# Altium PCB inj_meas.PcbDoc (continued)
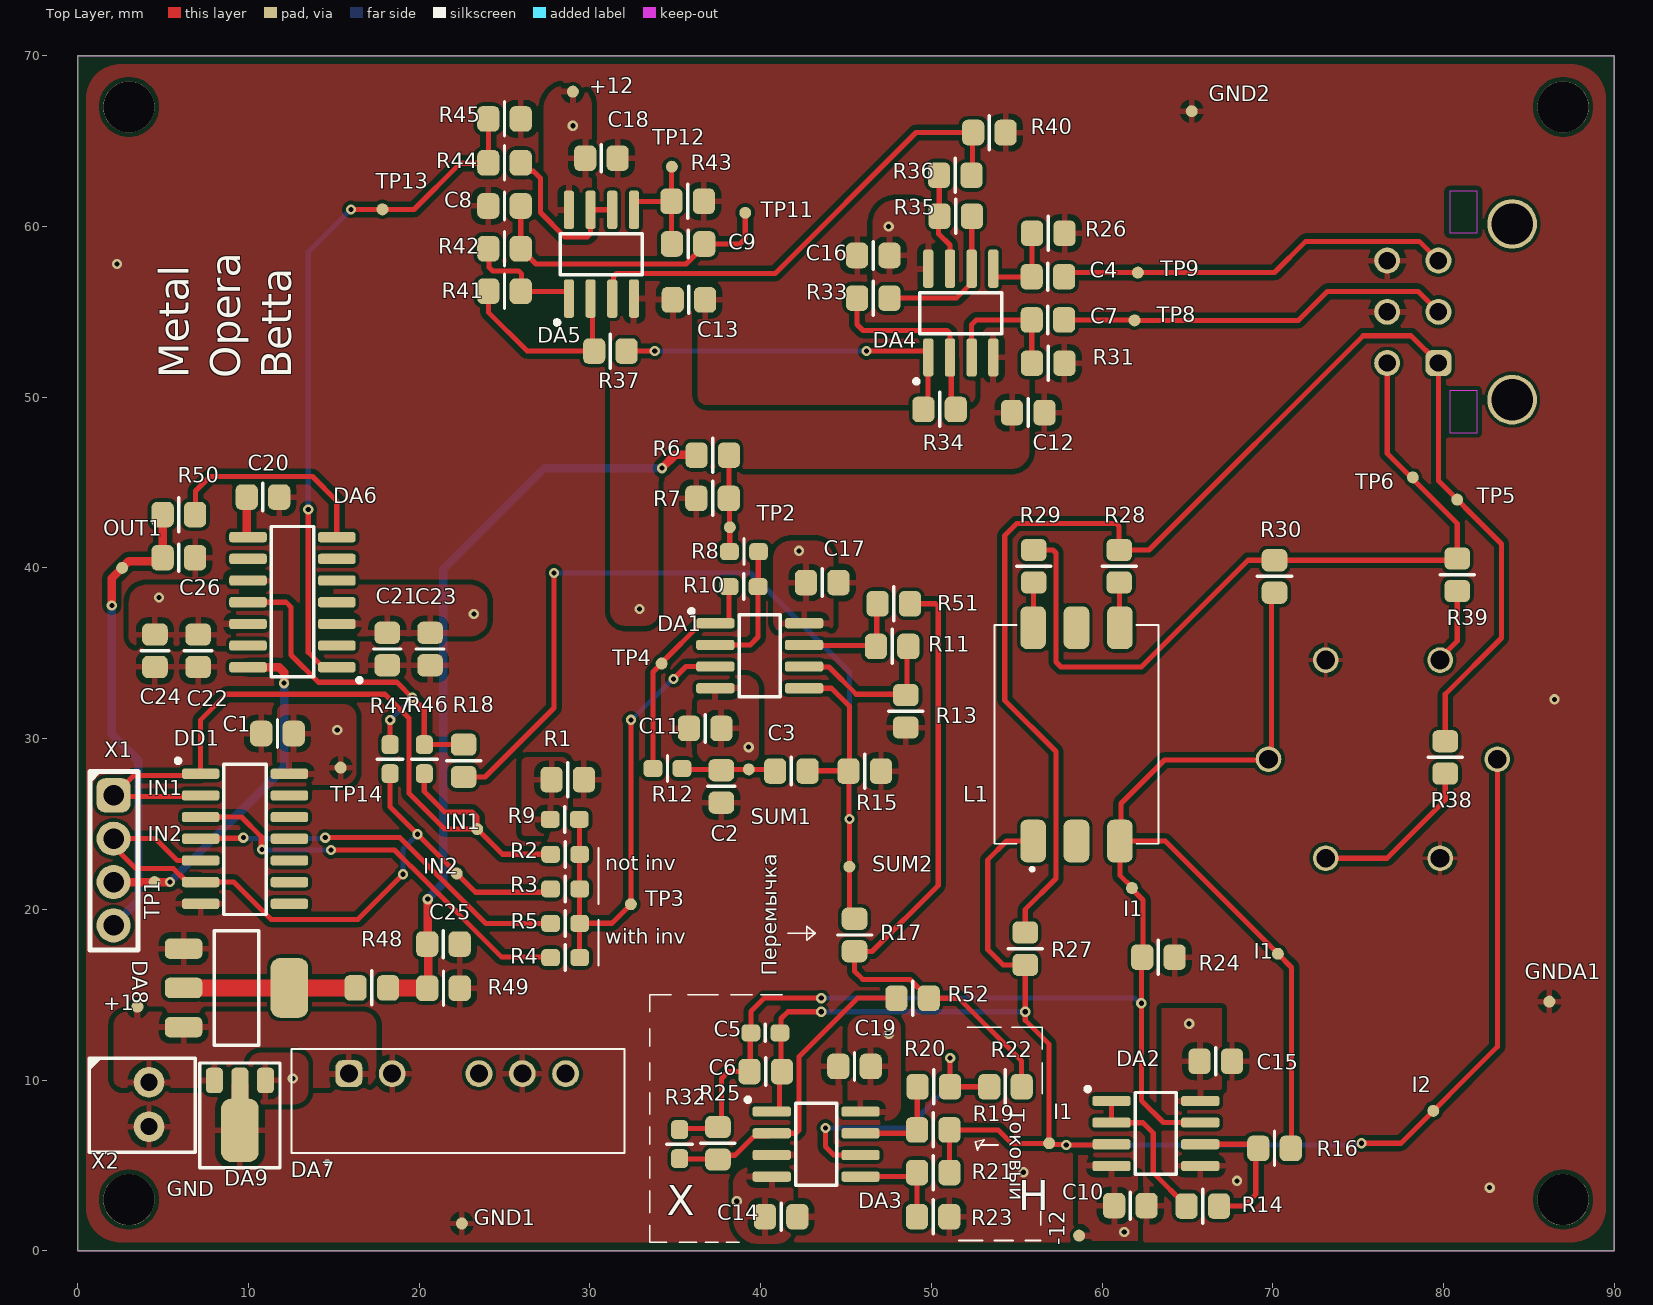
[diagram p0: Top Layer view]
## Components (designator, comment, footprint, x,y, rotation, side; value= is the part's Value field where it differs from the comment) (continued)
R26 "3k ±1% 0805" "RES: SMD 0805 MD IPC 782" 56.85,59.6 r0 top
R27 "0 ±1% 0805" "RES: SMD 0805 MD IPC 782" 55.5,17.7 r90 top
R28 "0 ±1% 0805" "RES: SMD 0805 MD IPC 782" 61,40.1 r90 top
R29 "0 ±1% 0805" "RES: SMD 0805 MD IPC 782" 56,40.1 r90 top
R30 "0 ±1% 0805" "RES: SMD 0805 MD IPC 782" 70.1,39.5 r90 top
R31 "3k ±1% 0805" "RES: SMD 0805 MD IPC 782" 56.841,51.992 r0 top
R32 "0 ±5% 0603" "RES: SMD 0603 MD IPC 782" 35.25,6.25 r270 top
R33 "100R±1%  0805" "RES: SMD 0805 MD IPC 782" 46.6,55.8 r180 top
R34 "1k ±1% 0805" "RES: SMD 0805 MD IPC 782" 50.481,49.283 r0 top
R35 "820k ±1% 0805" "RES: SMD 0805 MD IPC 782" 51.425,60.6 r0 top
R36 "510 ±1% 0805" "RES: SMD 0805 MD IPC 782" 51.4,63 r0 top
R37 "510 ±1% 0805" "RES: SMD 0805 MD IPC 782" 31.2,52.7 r180 top
R38 "0 ±1% 0805" "RES: SMD 0805 MD IPC 782" 80.1,28.9 r90 top
R39 "0 ±1% 0805" "RES: SMD 0805 MD IPC 782" 80.8,39.6 r90 top
R40 "510 ±1% 0805" "RES: SMD 0805 MD IPC 782" 53.4,65.5 r180 top
R41 "510 ±1% 0805" "RES: SMD 0805 MD IPC 782" 25,56.2 r0 top
R42 "300 ±1%  0805" "RES: SMD 0805 MD IPC 782" 25,58.7 r0 top
R43 "3k ±1% 0805" "RES: SMD 0805 MD IPC 782" 35.725,61.475 r0 top
R44 "3k ±1% 0805" "RES: SMD 0805 MD IPC 782" 25,63.725 r180 top
R45 "3k ±1% 0805" "RES: SMD 0805 MD IPC 782" 25,66.3 r180 top
R46 "0" "RES: SMD 0603 MD IPC 782" 20.3,28.8 r270 top
R47 "0" "RES: SMD 0603 MD IPC 782" 18.3,28.8 r270 top
R48 "1k ±1% 0805" "RES: SMD 0805 MD IPC 782" 17.225,15.4 r180 top
R49 "1k ±1% 0805" "RES: SMD 0805 MD IPC 782" 21.425,15.375 r180 top
R50 "300 ±1%  0805" "RES: SMD 0805 MD IPC 782" 5.925,43.125 r180 top
R51 "0 ±1% 0805" "RES: SMD 0805 MD IPC 782" 47.8,37.9 r180 top
R52 "0 ±1% 0805" "RES: SMD 0805 MD IPC 782" 48.9,14.8 r180 top
SUM1 "Test point" "Test Point" 39.307,28.2 r180 top net-tie
SUM2 "Test point" "Test Point" 45.2,22.5 r90 top net-tie
TP1 "Test point" "Test Point" 4.5,21.6 r180 top net-tie
TP2 "Test point" "Test Point" 38.202,42.38 r90 top net-tie
TP3 "Test point" "Test Point" 32.4,20.3 r90 top net-tie
TP4 "Test point" "Test Point" 34.2,34.4 r90 top net-tie
TP5 "Test point" "Test Point" 80.8,44 r0 top net-tie
TP6 "Test point" "Test Point" 78.2,45.3 r0 top net-tie
TP8 "Test point" "Test Point" 61.9,54.5 r90 top net-tie
TP9 "Test point" "Test Point" 62.1,57.3 r90 top net-tie
TP11 "Test point" "Test Point" 39.1,60.8 r0 top net-tie
TP12 "Test point" "Test Point" 34.8,63.5 r0 top net-tie
TP13 "Test point" "Test Point" 17.85,61 r90 top net-tie
TP14 "Test point" "Test Point" 15.4,28.3 r90 top net-tie
X1 "PLS-4" "CON: 4pin PLS-4" 2.1,22.87 r270 top
X2 "WF-2" "CON: 2pin wf-2" 3.675,8.575 r270 top
X3 "Microfit 3.0 43045-0623" "Molex Microfit 6pin" 82.5,55 r270 bottom

## Footprints (in the part's own frame and the unit in brackets; to place one, negate y for a bottom-side part, rotate by r counter-clockwise, add the part's x,y. Pads: shape width x height; smd on the part's side, far side on the other; paste and mask are expansions set on the pad)
"CAP: SMD 0603 MD IPC 782" [mm]
  rrect50% 1.1x1 smd: 1(-0.85,0) 2(0.85,0)
  silkscreen extent 0,-0.5 0,0.5, body extent -1.23,-0.4 1.23,0.4, height 0.8
"CAP: SMD 0805 MD IPC 782" [mm]
  rrect50% 1.3x1.5 smd: 1(-0.95,0) 2(0.95,0)
  silkscreen extent 0,-0.8 0,0.8, body extent -1.4,-0.63 1.4,0.63, height 0.8
"CON: 2pin wf-2" [mm]
  round 1.8 hole 1: 1(-1.3,0.5) 2(1.3,0.5)
  silkscreen extent -2.7,-3 2.8,3.2, body extent -2.49,-2.8 2.59,3, height 11.56
"CON: 4pin PLS-4" [mm]
  rrect50% 2x2 hole 1.2: 1(-3.81,0)
  round 2 hole 1.2: 2(-1.27,0) 3(1.27,0) 4(3.81,0)
  silkscreen extent -5.21,-1.39 5.25,1.42, body extent -5.08,-1.3 5.08,1.3, height 7.83
"IC: SOIC 8" [mm]
  rrect50% 2.25x0.6 smd: 1(-2.6,1.905) 2(-2.6,0.635) 3(-2.6,-0.635) 4(-2.6,-1.905) 5(2.6,-1.905) 6(2.6,-0.635) 7(2.6,0.635) 8(2.6,1.905)
  silkscreen extent -4.1,-2.4 1.2,2.7, body extent -3.05,-2.45 2.95,2.45, height 1.75
"IC: SOIC 14" [mm]
  rrect50% 2.2x0.6 smd: 1(-2.6,3.845) 2(-2.6,2.575) 3(-2.6,1.305) 4(-2.6,0.035) 5(-2.6,-1.235) 6(-2.6,-2.505) 7(-2.6,-3.775) 8(2.6,-3.775) 9(2.6,-2.505) 10(2.6,-1.235) 11(2.6,0.035) 12(2.6,1.305) 13(2.6,2.575) 14(2.6,3.845)
  silkscreen extent -4.03,-4.4 1.25,4.7, body extent -3,-4.37 3,4.32, height 1.6
"IC: SOT 89" [mm]
  rrect50% 1.5x1 smd paste-2 mask+0: 1(-1.981,1.499) 3(-1.981,-1.499)
  rrect50% 2.15x1 smd paste-2 mask+0: 2(-1.65,0)
  rrect50% 3.7x2.2 smd paste-3: 2(0.94,0)
  silkscreen extent -3,-2.35 3.13,2.35, body extent -2.33,-2.24 1.67,2.26, height 1.5
"IC: SOT 223" [mm]
  rrect50% 2.2x1.2 smd: 1(-3.1,2.3) 2(-3.1,0) 3(-3.1,-2.3)
  rrect50% 2.2x3.5 smd: 4(3.1,0)
  silkscreen extent -1.3,-3.35 1.3,3.35, body extent -3.48,-3.25 3.48,3.25, height 1.9
"IND: SM-LP-5001E" [mm]
  rrect50% 2.5x1.5 smd: 1(-6,2.54) 2(-6,0) 3(-6,-2.54) 4(6.5,-2.54) 5(6.5,0) 6(6.5,2.54)
  silkscreen extent -7.75,-4.8 6.65,4.8, body extent -6.62,-4.55 7.38,4.8, height 7.38
"Molex Microfit 6pin" [mm]
  rrect50% 1.52x1.52 / inner round 1.52 / far side rrect50% 1.52x1.52 hole 1.02 mask+0.076: 1(3,2.8)
  round 1.52 hole 1.02 mask+0.076: 2(0,2.8) 3(-3,2.8) 4(3,5.8) 5(0,5.8) 6(-3,5.8)
  round 2.91 hole 2.41 mask+0.076: ""(-5.15,-1.52) ""(5.15,-1.52)
  Keep-Out Layer region: -4.625,0.54 -7.075,0.54 -7.075,2.14 -4.625,2.14
  Keep-Out Layer region: 7.075,0.54 4.625,0.54 4.625,2.14 7.075,2.14
  silkscreen extent -6.58,-6.12 7.57,6.12, body extent -6.63,-6.23 6.58,6.01, height 9.83
"RES: SMD 0603 MD IPC 782" [mm]
  rrect50% 1.1x1 smd: 1(-0.85,0) 2(0.85,0)
  silkscreen extent 0,-0.75 0,0.75, body extent -1.23,-0.4 1.23,0.4, height 0.8
"RES: SMD 0805 MD IPC 782" [mm]
  rrect50% 1.3x1.5 smd: 1(-0.95,0) 2(0.95,0)
  silkscreen extent 0,-1 0,1, body extent -1.4,-0.62 1.4,0.63, height 0.8
SIP-6 [mm]
  rrect50% 1.575x1.575 hole 1.05: 1(-7.62,1.778)
  round 1.575 hole 1.05: 2(-5.08,1.778) 4(0,1.778) 5(2.54,1.778) 6(5.08,1.778)
  silkscreen extent -10.97,-3.55 8.53,3.23, body extent -10.96,-2.85 8.54,3.25, height 10.55
"Test Point" [mm]
  round 0.7 smd: 1(0,0)
МИТ-12 [mm] "Трансоформатор 1:1 двахобмоточный"
  round 1.5 hole 1.1: 1(0,6.7) 2(5.802,3.35) 3(5.802,-3.35) 4(0,-6.7) 5(-5.802,-3.35) 6(-5.802,3.35)
  silkscreen extent -8,-8 8,12.5, body extent -10.9,-10.97 11.07,11.02, height 13

## Part data
DA1 DA2 DA3 DA4 DA5: library part AD8028_part
DA6: library part LF398MX
DA7: library part "DC-DC: +12/-12V DPU01L-12", Code=6339113551, Name="Микросхема AM2D-0512DZ, AIMTEC"
DA8: library part "LDO: 15-3.3V AMS1117", Code=6339112951, Name="Микросхема AMS-1117-3.3"
DA9: "78L05, Стабилизатор напряжения +5В 0.1А", ComponentLink1Description=Chipdip, ComponentLink1URL=https://www.chipdip.ru/product/78l05-stabilizator-napryazheniya-5v-0.1a-sot-89-umw-9001231082, P/N="Микросхема питания 78L05, UMW"
DD1: library part "LOGIC: 4093", "&", Code=6330002931, Name="Микросхема IW4093BD, ТУ РБ 14513714.005-03-95"
R33: library part "100 ±1%  0805", Code=6094351171, Name="Резистор 100R±1%  0805"
R46 R47: library part "0 ±5%", Code=6020004221, Name="Резистор RC0603JR-070RL, Yageo"
X1: library part "4 pin PLS-4", Code=6313932041, Name="Вилка WF-4"
X2: library part "2 pin WF-2", Code=6313952902, Name="Вилка WF-2"
X3: library part "6 pin Microfit", "Microfit 3.0 43045-0623 6 pin угловой разъем"
C1 C3 C10 C11 C12 C13 C14 C15 C16 C17 C18 C19 C23 C24 C25: Code=6279254871, Name="Конденсатор X7R 50V 0,1uF ±10% 0805"
C2 C4 C7 C8 C9 C26: Code=6279352311, Name="Конденсатор NPO 50V 6800pF ±5% 0805"
C5: Code=6279259841, Name="Конденсатор X7R 50V 0,047uF +-10% 0603"
C6: Code=6279351741, Name="Конденсатор NP0 50V 51pF±5% 0805"
C20: Code=6279261451, Name="Конденсатор X7R 50V  0,01uF±5%  0805"
C21 C22: Code=6289735441, Name="Конденсатор 12065D106KAT2A, AVX"
R1 R6 R7 R17 R18 R24 R25 R27 R28 R29 R30 R38 R39 R51 R52: Code=6094342239, Name="Резистор 0R ±1% 0805"
R2 R3 R4 R5: Code=6069180761, Name="Резистор 680R ±1% 0603"
R8 R9: Code=6069174188, Name="Резистор 1k ±1% 0603"
R10: Code=6094357331, Name="Резистор 3К ±1% 0603"
R11: Code=6094357441, Name="Резистор 7,5k±1% 0805"
R12: Code=6069180621, Name="Резистор 200R±1% 0603"
R13: Code=6094354057, Name="Резистор 51K±1% 0805"
R14 R16 R20 R22 R23: Code=6094352561, Name="Резистор 2k±1%  0805"
R15 R19 R21 R34 R48 R49: Code=6027158691, Name="Резистор RC0805FR-071KL, Yageo"
R26 R31 R43 R44 R45: Code=6094357331, Name="Резистор 3К ±1% 0805"
R32: Code=6020004221, Name="Резистор RC0603JR-070RL, Yageo"
R35: Code=6019041741, Name="Резистор RC0805FR-07820KL, Yageo"
R36 R37 R40 R41: Code=6069137191, Name="Резистор 510R±1%  0805"
R42 R50: Code=6094357025, Name="Резистор 300R±1%  0805"

## Free pads (board coordinates)
  round 3 hole 3 unplated: ""(3,3) ""(3,67) ""(87,3) ""(87,67)

## Via types
v1: diameter 0.6, hole 0.3, Top Layer to Bottom Layer, 47 vias

## Nets (pads, with @x,y where several pads share a name; then routed paths per layer and width w, separated by ;. In a path a pad name is that pad's centre, name@x,y a point inside that pad or via, vN(x,y) a via of type N, cw(c..) or ccw(c..) an arc to the next point about the centre after c; other vN are vias at no path point)
+1.65: C25.1 R6.2 R48.1 R49.2 | length 44.6
  Top Layer w0.3: v1@20.499,20.599 v1(20.5,20.598)
  Top Layer w0.5: C25.1@20.5,17.993 v1(20.5,20.598) ; R49.2@20.525,15.425 C25.1@20.525,17.775 ; v1(34.216,45.844) 34.995,46.623 R6.2@36.219,46.623
  Top Layer w1: R48.1 18.187,15.387 R49.2@20.463,15.387 ; C25.1 C25.1@20.5,17.993 ; R49.2 R49.2@20.525,15.425
  Bottom Layer w0.5: v1(20.5,20.598) 20.5,20.625 21.4,21.525 21.4,39.9 27.344,45.844 v1(34.216,45.844)
+3.3: DA8.2 DA8.4 R48.2 | length 9.1
  Top Layer w1: DA8.2@7.2,15.4 13.4,15.4 R48.2
+5: +1.1 DA7.1 DA8.3 DA9.3 X2.1
+5V: C1.1 DA9.1 DD1.14 TP14.1
  other v1: 12.6,10.1 15.2,30.5
+12: +12.1 C15.2 C16.2 C17.2 C18.2 C19.2 C22.1 C24.1 DA1.8 DA2.8 DA3.8 DA4.8 DA5.8 DA6.12 DA7.6
  other v1: 47.5,12.7 65.1,13.3 4.767,38.27 42.25,41 47.5,60 29,65.9
-12: -12.1 C10.2 C11.2 C12.2 C13.2 C14.2 C21.1 C23.1 DA1.4 DA2.4 DA3.4 DA4.4 DA5.4 DA6.3 DA7.4
  other v1: 61.3,1.1 38.6,2.9 39.3,29.5 23.2,37.3 32.9,37.6
GNDA: C1.2 C2.2 C8.2 C10.1 C11.1 C12.1 C13.1 C14.1 C15.1 C16.1 C17.1 C18.1 C19.1 C20.2 C21.2 C22.2 C23.2 C24.2 C25.2 C26.2 DA2.5 DA3.3 DA6.10 DA7.2 DA7.5 DA8.1 DA9.2 DD1.7 GND1.1 GND2.1 GNDA1.1 L2.3 L2.6 R1.1 R7.1 R13.1 R15.1 R23.2 R24.1 R26.2 R31.2 R40.1 R43.2 R45.1 R49.1 X2.2 X3.5 X3.6 | length 2.6
  Top Layer w1: DA9.2@9.5,7.06 DA9.2@9.5,9.65
  other v1: 82.7,3.7 67.9,4.1 55.4,4.6 86.5,32.3 2.3,57.8
GNDD: R1.2 R9.1 | length 0.1
  Top Layer w0.3: R9.1 R9.1@27.712,25.312 ; R1.2@27.712,27.563 R1.2
I1: R27.2 R28.2 R38.2 TP5.1 X3.1 | length 83.3
  Top Layer w0.3: R27.2 55.5,20 57.3,21.8 57.3,29.241 54.3,32.241 54.3,41.9 55,42.6 60.824,42.6 61,42.424 R28.2 62.75,41.05 75.3,53.6 78.1,53.6 X3.1 79.7,45.1 TP5.1 81.7,43.1 83.4,41.4 83.4,35.9 80.1,32.6 R38.2@80.1,29.845
I2: R29.2 R30.2 R39.2 TP6.1 X3.4 | length 47.1
  Top Layer w0.3: R29.2 57.124,41.05 57.3,40.874 57.3,34.493 57.593,34.2 62.3,34.2 68.55,40.45 R30.2 80.6,40.45 80.8,40.65 80.8,42.6 76.7,46.7 X3.4
I_1: C5.1 C6.1 DA2.7 I1.1@61.75,21.25 I1.1@70.3,17.4 L1.3 L2.1 R16.2 R24.2 R25.1 R30.1 R32.1 | length 99.4
  Top Layer w0.3: R32.1 35.325,7.175 37.425,7.175 R25.1 37.7,7.45 37.7,10.1 38.1,10.5 C6.1 39.389,10.539 39.389,12.725 C5.1 39.428,14.028 40.2,14.8 v1(43.55,14.8) ; DA2.7 63.59,7.51 62.3,8.8 v1(62.3,14.5) 62.3,17.15 R24.2 62.4,17.25 62.4,20.546 61.75,21.196 61.75,21.25 61.75,21.29 61.04,22 L1.3 ; L2.1@69.75,28.75 63.65,28.75 61.1,26.2 61.1,24.06 L1.3 ; L2.1 69.925,28.973 69.925,38.075 R30.1@70.1,38.25 ; R30.1 R30.1@70.32,38.33 ; R16.2@70.592,5.983 R16.2@70.592,6.051 ; R16.2@71.1,6 71.1,16.6 70.3,17.4 63.7,24 L1.3
  Bottom Layer w0.3: v1(43.55,14.8) 61.919,14.8 62.219,14.5 v1(62.3,14.5)
I_2: C5.2 C6.2 DA2.3 DA3.1 I1.1@56.9,6.3 I2.1 L1.1 L2.4 R19.2 R21.1 R27.1 | length 98.5
  Top Layer w0.3: DA3.1@41.1,8.305 41.1,10.35 C6.2 41.189,10.561 41.189,12.703 41.2,12.714 41.2,13.6 41.6,14 v1(43.55,14) ; R21.1 R19.2 53.916,7.084 54.722,6.278 56.878,6.278 I1.1@56.9,6.3 ; R27.1@55.29,16.75 54.193,16.75 53.3,17.643 53.3,22.9 54.4,24 L1.1 ; R27.1 v1(55.5,14) 55.5,13.5 56.9,12.1 I1.1@56.9,6.3 ; v1(57.9,6.2) 57.881,6.219 57.035,6.219 56.954,6.3 I1.1@56.9,6.3 ; v1@57.927,6.2 60.51,6.2 DA2.3 ; v1(75.2,6.3) 77.5,6.3 83.15,11.95 L2.4
  Bottom Layer w0.3: v1(43.55,14) v1(55.5,14) ; v1(57.9,6.2) 75.019,6.2 75.119,6.3 v1(75.2,6.3)
NetC2_1: C2.1 C3.2 R12.2 SUM1.1 | length 5.5
  Top Layer w0.3: R12.2@35.392,28.2 37.3,28.2 39.115,28.2 40.8,28.2 C3.2@40.9,28.1
NetC3_1: C3.1 DA1.5 R15.2 R17.2 R18.1 SUM2.1 | length 63.2
  Top Layer w0.3: R18.1 23.85,27.75 27.9,31.8 v1(27.9,39.7) ; DA1.5 44.149,32.951 45.2,31.9 45.2,28.345 44.955,28.1 44.7,28.1 44.487,28.1 C3.1 C3.1@42.75,28.105 ; C3.1@42.75,28.116 44.487,28.116 44.495,28.108 ; R15.2@44.7,28.05 45.175,27.575 45.175,25.325 v1(45.2,25.3) SUM2.1@45.2,22.379 ; SUM2.1@45.2,22.529 45.2,19.75 R17.2
  Bottom Layer w0.3: v1(27.9,39.7) 39.4,39.7 45.2,33.9 v1(45.2,25.3)
NetC4_1: C4.1 DA4.5 R26.1 | length 5.2
  Top Layer w0.3: DA4.5 53.63,57.2 53.78,57.05 C4.1 55.887,57.062 55.887,59.588 R26.1
NetC7_1: C7.1 DA4.3 R31.1 | length 8.1
  Top Layer w0.3: DA4.3 52.36,54.26 52.625,54.525 C7.1 55.883,54.517 55.883,52 R31.1
NetC8_1: C8.1 C9.2 R42.2 TP11.1 | length 18.2
  Top Layer w0.3: C8.1 25.95,58.695 26.845,57.8 35.625,57.8 36.7,58.875 C9.2 38.775,58.975 39.1,59.3 TP11.1
NetC9_1: C9.1 DA5.5 R43.1 TP12.1 | length 7.1
  Top Layer w0.3: DA5.5 32.58,61.32 32.73,61.47 R43.1@34.775,61.47 ; C9.1 34.787,58.988 34.787,61.462 R43.1 34.787,61.487 34.787,63.488 TP12.1
NetC20_1: C20.1 DA6.8 | length 2.4
  Top Layer w0.3: DA6.8@9.899,41.876 DA6.8
  Top Layer w0.5: DA6.8@9.899,41.876 C20.1
NetDA1_1: DA1.1 R10.2 R12.1 TP4.1 | length 13
  Top Layer w0.3: R12.1@33.7,28.25 33.7,33.9 TP4.1 ; TP4.1@34.25,34.49 36.521,36.761 DA1.1 DA1.1@38,36.761 ; DA1.1@38.15,36.911 R10.2
NetDA1_2: DA1.2 R8.2 R10.1 | length 7.7
  Top Layer w0.3: DA1.2 39.391,35.491 39.85,35.95 R10.1 ; R10.1@39.863,38.913 R8.2@39.863,40.938
NetDA1_3: DA1.3 R2.2 R3.2 R4.2 R5.2 R9.2 TP3.1 | length 28.6
  Top Layer w0.3: R9.2 29.388,25.263 29.388,23.238 R2.2 R3.2 R5.2 ; R4.2 R5.2 ; v1(32.4,31.1) TP3.1 31.287,19.187 29.412,19.187 R5.2 ; v1(34.9,33.5) 35.621,34.221 DA1.3
  Bottom Layer w0.3: v1(32.4,31.1) 32.45,31.1 34.85,33.5 v1(34.9,33.5)
NetDA1_6: DA1.6 R11.2 R13.2 | length 9.6
  Top Layer w0.3: DA1.6 42.567,34.2 44,34.2 45.6,32.6 48.45,32.6 R13.2 48.575,32.625 48.575,35.325 R11.2
NetDA1_7: DA1.7 R11.1 R51.2 | length 6.8
  Top Layer w0.3: DA1.7 42.592,35.445 46.705,35.445 R11.1 46.8,35.45 46.8,37.85 R51.2
NetDA2_1: DA2.1 DA2.2 R14.1 | length 9.1
  Top Layer w0.3: DA2.1 DA2.2 60.561,7.499 62.401,7.499 63,6.9 63,4.572 R14.1
NetDA2_6: DA2.6 R14.2 R16.1 | length 8.5
  Top Layer w0.3: DA2.6 R16.1@69.077,6.24 ; R14.2 68.321,2.621 69,3.3 69,5.85 R16.1
NetDA3_2: DA3.2 R25.2 R32.2 R52.2 | length 19.2
  Top Layer w0.3: R32.2 35.275,5.375 37.475,5.375 R25.2 37.748,5.598 38.498,5.598 39.635,6.735 40.5,6.735 DA3.2 42.074,6.885 42.25,7.061 42.25,11.373 45.677,14.8 R52.2
NetDA3_5: DA3.5 R21.2 R23.1 | length 5.6
  Top Layer w0.3: DA3.5 R21.2@48.925,4.345 ; R23.1 R21.2@49.15,4.57
NetDA3_6: DA3.6 R20.2 R22.1 | length 17.3
  Top Layer w0.3: v1(43.8,7.2) 43.8,6.1 44.285,5.615 DA3.6 ; v1(51.1,11.3) 51.095,11.295 51.095,9.614 R20.2 R22.1
  Bottom Layer w0.3: v1(43.8,7.2) 48.6,7.2 51.1,9.7 v1(51.1,11.3)
NetDA3_7: DA3.7 R19.1 R20.1 | length 5.9
  Top Layer w0.3: DA3.7 48.965,6.885 R19.1 49.177,7.096 49.177,9.596 R20.1
NetDA4_1: DA4.1 R34.1 R37.1 | length 21.2
  Top Layer w0.3: R37.1@32.2,52.65 R37.1 v1(33.8,52.7) ; v1(46.2,52.7) 49.67,52.7 49.82,52.55 DA4.1 49.795,52.3 49.795,49.547 R34.1
  Bottom Layer w0.3: v1(33.8,52.7) v1(46.2,52.7)
NetDA4_2: DA4.2 R33.2 R34.2 | length 11.8
  Top Layer w0.3: R33.2 45.65,54.25 46,53.9 50.914,53.9 51.09,53.724 DA4.2 51.162,52.253 51.162,49.553 R34.2
NetDA4_6: DA4.6 R33.1 R35.2 | length 8.2
  Top Layer w0.3: R33.1 51.46,55.8 DA4.6@52.36,56.7 ; DA4.6@52.367,57.532 R35.2@52.367,60.592
NetDA4_7: DA4.7 R35.1 R36.1 | length 5.7
  Top Layer w0.3: R35.1@50.424,60.549 50.424,59.576 51.09,58.91 DA4.7 ; R35.1@50.462,60.612 R36.1@50.462,62.987
NetDA5_1: DA5.1 R41.2 R42.1 | length 7.4
  Top Layer w0.3: R42.1 24.1,58.65 24.1,57.6 24.3,57.4 25.824,57.4 26,57.224 26,56.25 R41.2 28.62,56.2 28.77,56.05 DA5.1
NetDA5_2: DA5.2 R37.2 R41.1 | length 11.5
  Top Layer w0.3: R41.1 24.05,54.976 26.326,52.7 R37.2 30.145,52.805 30.145,55.67 DA5.2
NetDA5_3: DA5.3 R36.2 R40.2 | length 28.4
  Top Layer w0.3: DA5.3 31.384,55.849 31.384,57.074 31.56,57.25 32.223,57.25 32.937,57.25 40.85,57.25 49.1,65.5 R40.2 52.4,65.45 52.4,63.05 R36.2
NetDA5_6: DA5.6 DA5.7 R44.1 | length 9.8
  Top Layer w0.3: R44.1 25.95,63.72 26.437,63.233 26.693,63.233 27.1,62.826 27.1,60.813 28.513,59.4 29.864,59.4 30.04,59.576 DA5.7 DA5.6
NetDA6_1: DA6.1 R44.2 R45.2 TP13.1 | length 39.9
  Top Layer w0.3: v1(13.5,43.423) 13.5,35.055 DA6.1@14.375,34.18 ; v1(16,61) TP13.1 19.7,61 22.4,63.7 24.05,63.7 R45.2@24.05,66.31
  Bottom Layer w0.3: v1(13.5,43.423) 13.5,58.5 v1@15.938,60.938
NetDA6_7: DA6.7 R50.1 | length 12.7
  Top Layer w0.3: R50.1 6.9,43.15 6.9,44.5 7.749,45.349 13.751,45.349 15.175,43.925 DA6.7
NetL1_4: L1.4 R28.1 | length 2.7
  Top Layer w0.3: R28.1 61.02,39.13 61.02,36.52 L1.4
NetL1_6: L1.6 R29.1 | length 2.7
  Top Layer w0.3: L1.6 55.98,36.52 55.98,39.13 R29.1
NetL2_2: L2.2 R38.1 | length 10
  Top Layer w0.3: L2.2 76.695,22.995 80.1,26.4 R38.1
NetL2_5: L2.5 R39.1 | length 4.6
  Top Layer w0.3: L2.5 79.8,34.721 80.8,35.721 R39.1@80.8,38.75
NetR6_1: R6.1 R7.2 R8.1 TP2.1 | length 5.6
  Top Layer w0.3: R7.2@38.14,44.078 38.14,46.597 R6.1 ; R7.2@38.168,44.037 38.168,42.415 TP2.1 38.189,42.367 R8.1@38.189,40.964
NetR17_1: R17.1 R22.2 R51.1 R52.1 | length 39.3
  Top Layer w0.3: R51.1 50.224,37.9 50.4,37.724 50.4,21.4 46.524,17.524 45.774,17.524 45.65,17.4 R17.1 45.5,16.376 45.976,15.9 48.745,15.9 49.245,15.4 49.255,15.4 49.85,14.805 49.85,14.795 51.605,14.795 55.289,11.111 R22.2
"OFF ADJ": DA6.14 TP1.1 X1.3 | length 20.6
  Top Layer w0.5: X1.3 TP1.1 v1(5.4,21.6) ; DA6.14 11.793,34.18 12.086,33.887 v1(12.086,33.25)
  Bottom Layer w0.5: v1(5.4,21.6) 12.1,28.3 12.1,33.236 v1(12.086,33.25)
PWR1: DD1.1 DD1.2 IN1.1 R2.1 R46.2 X1.1 | length 47
  Top Layer w0.3: DD1.2@7.165,26.62 2.14,26.62 2.1,26.66 3.29,27.85 7.2,27.85 7.2,31.1 8.7,32.6 18,32.6 19.4,31.2 19.4,26.8 21.5,24.7 IN1.1 ; R46.2 20.3,26.9 21.5,25.7 23.1,25.7 23.384,25.416 23.384,24.716 IN1.1 ; R2.1 24.875,23.225 IN1.1
PWR2: DD1.5 DD1.6 IN2.1 R3.1 R47.2 X1.2 | length 42
  Top Layer w0.3: DD1.5 5.835,22.865 4.56,24.14 X1.2 2.1,23.7 3.4,22.4 5.6,22.4 6.25,21.75 6.25,21.745 7.05,21.745 DD1.6 9.135,21.595 11.33,19.4 16.4,19.4 v1(19.054,22.054) ; R47.2 18.3,26 v1(19.9,24.4) 20.6,23.7 IN2.1 22.9,21.4 23.3,21 R3.1@27.7,21
  Bottom Layer w0.3: v1(19.054,22.054) 19.054,23.554 v1(19.9,24.4)
PWR_1: DD1.3 R4.1 | length 24.3
  Top Layer w0.3: DD1.3 9.595,25.405 10.75,24.25 10.75,23.55 v1(10.8,23.5) ; v1(14.838,23.475) 18.549,23.475 19.474,22.55 19.49,22.55 24.84,17.2 R4.1@27.7,17.2
  Bottom Layer w0.3: v1(10.8,23.5) 10.812,23.488 14.826,23.488 v1(14.838,23.475)
PWR_2: DD1.4 R5.1 | length 22.5
  Top Layer w0.3: DD1.4@7.388,24.118 7.438,24.168 9.668,24.168 v1(9.7,24.2) ; v1(14.5,24.2) 18.881,24.2 23.906,19.175 R5.1
  Bottom Layer w0.3: v1(9.7,24.2) 9.75,24.15 14.45,24.15 v1(14.5,24.2)
SUM: DA6.11 R18.2 R46.1 R47.1 | length 22.2
  Top Layer w0.3: DA6.11 12.21,37.99 12.5,37.7 12.5,34.9 14.1,33.3 18.7,33.3 v1(19.6,32.4) 20.3,31.7 R46.1 R18.2 ; v1@18.296,31.096 v1(18.3,31.093) R47.1
  Bottom Layer w0.3: v1(18.3,31.093) 18.3,31.096 v1@19.6,32.396
U1: C7.2 TP8.1 X3.2 | length 23.1
  Top Layer w0.3: C7.2 57.787,54.512 61.888,54.512 TP8.1 71.5,54.5 73.2,56.2 78.5,56.2 X3.2
U2: C4.2 TP9.1 X3.3 | length 23.3
  Top Layer w0.3: C4.2 58.025,57.3 TP9.1 70.1,57.3 71.929,59.129 78.571,59.129 X3.3
U_H: C26.1 OUT1.1 R50.2 X1.4 | length 27.5
  Top Layer w0.5: v1(2,37.8) 2,39.4 OUT1.1 ; OUT1.1@2.647,40.054 2.993,40.4 4.775,40.4 C26.1@4.943,40.568 ; C26.1 R50.2
  Bottom Layer w0.5: v1(2,37.8) 2,30.251 3.55,28.701 3.55,20.51 X1.4
pads on no net: DA6.2 DA6.4 DA6.5 DA6.6 DA6.9 DA6.13 DD1.8 DD1.9 DD1.10 DD1.11 DD1.12 DD1.13 L1.2 L1.5 X3.

## Polygon pours and split planes (outlines as drawn)
+5V on Top Layer "NONET_L-01_P-001" (solid, remove dead copper, pour order 36): 10.7,11.6 12.8,11.6 cw(c12.8,10.9) 13.5,10.9 13.5,9.4 cw(c12.694,9.4) 12.694,8.594 10.806,8.594 cw(c10.806,9.4) 10,9.4 10,10.9 cw(c10.7,10.9)
+5 on Top Layer (solid, remove dead copper, pour order 37): 12.3,9.554 16.554,9.554 ccw(c16.554,10.5) 17.5,10.5 17.5,13.2 ccw(c16.7,13.2) 16.7,14 9.1,14 2.9,14 ccw(c2.9,13.2) 2.1,13.2 2.1,10.1 ccw(c2.646,10.1) 2.646,9.554
GNDA on Top Layer "NONET_L-01_P-001" (solid, remove dead copper, pour order 61): 2.5,0.5 87.5,0.5 ccw(c87.5,2.5) 89.5,2.5 89.5,67.5 ccw(c87.5,67.5) 87.5,69.5 2.5,69.5 ccw(c2.5,67.5) 0.5,67.5 0.5,2.5 ccw(c2.5,2.5)
+12 on Top Layer "NONET_L-01_P-001" (solid, remove dead copper, pour order 44): 45.987,7.613 47.313,7.613 ccw(c47.313,8.5) 48.2,8.5 48.2,13 ccw(c47.4,13) 47.4,13.8 46,13.8 ccw(c46,12.9) 45.1,12.9 45.1,8.5 ccw(c45.987,8.5)
-12 on Top Layer "NONET_L-01_P-001" (solid, remove dead copper, pour order 35): 37,33.7 39.1,33.7 cw(c39.1,32.9) 39.9,32.9 39.9,29.212 cw(c39.288,29.212) 39.288,28.6 37,28.6 cw(c37,29.3) 36.3,29.3 36.3,33 cw(c37,33)
-12 on Top Layer "Top Layer--12" (solid, remove dead copper, pour order 40): 32.1,36.6 33.2,36.6 ccw(c33.2,37.4) 34,37.4 34,44.895 cw(c34.905,44.895) 34.905,45.8 54.7,45.8 ccw(c54.7,46.842) 55.742,46.842 55.742,47.64 ccw(c55.731,47.64) 55.742,47.642 55.742,49.218 55.742,51.5 55.742,53.458 ccw(c54.9,53.458) 54.9,54.3 53.9,54.3 ccw(c53.9,53.3) 52.9,53.3 52.9,50.1 cw(c52.018,50.1) 52.018,49.218 36.882,49.218 cw(c36.882,50.124) 35.976,50.124 35.976,56.224 ccw(c35,56.224) 35,57.2 32.4,57.2 ccw(c32.4,56) 31.2,56 31.2,51.5 31.2,37.5 ccw(c32.1,37.5)
+12 on Top Layer "NONET_L-01_P-001" (solid, remove dead copper, pour order 43): 63.5,14.2 67,14.2 67,7.935 66.965,7.9 63.5,7.9
GNDD on Top Layer "NONET_L-01_P-001" (solid, remove dead copper, pour order 57): 28.7,28.6 28.7,24.3 26.2,24.3 cw(c26.2,24.5) 26,24.5 26,28.6 cw(c26.3,28.6) 26.3,28.9 28.4,28.9 cw(c28.4,28.6)
+5V on Top Layer "NONET_L-01_P-001" (solid, remove dead copper, pour order 60): 12.1,32 15.6,32 cw(c15.6,31.3) 16.3,31.3 16.3,28 cw(c15.6,28) 15.6,27.3 11.7,27.3 11.7,31.6 cw(c12.1,31.6)
-12 on Top Layer "NONET_L-01_P-001" (solid, remove dead copper, pour order 59): 15,39 23,39 cw(c23,38) 24,38 24,37 cw(c23,37) 23,36 15,36
+12 on Top Layer "NONET_L-01_P-001" (solid, remove dead copper, pour order 58): 3.572,35.428 9.44,35.428 9.44,39 4,39 ccw(c4,38) 3,38 3,36 ccw(c3.572,36)
+12 on Top Layer "NONET_L-01_P-001" (solid, remove dead copper, pour order 51): 41.8,41.6 43.2,41.6 cw(c43.2,40.55) 44.25,40.55 44.25,36.75 cw(c43.7,36.75) 43.7,36.2 41.4,36.2 cw(c41.4,36.85) 40.75,36.85 40.75,40.55 cw(c41.8,40.55)
+12 on Top Layer "NONET_L-01_P-001" (solid, remove dead copper, pour order 48): 28.7,68.3 28.9,68.3 cw(c28.9,67.1) 30.1,67.1 30.1,61.5 cw(c28.8,61.5) 28.8,60.2 28.5,60.2 cw(c28.5,61.4) 27.3,61.4 27.3,66.9 cw(c28.7,66.9)
+12 on Top Layer "NONET_L-01_P-001" (solid, remove dead copper, pour order 45): 47.965,61.565 48.835,61.565 cw(c48.835,60.1) 50.3,60.1 50.3,57.3 cw(c49,57.3) 49,56 47.6,56 cw(c47.6,57.035) 46.565,57.035 46.565,60.165 cw(c47.965,60.165)
-12 on Top Layer "NONET_L-01_P-001" (solid, remove dead copper, pour order 52): 62.1,0.6 62.1,5.584 58.6,5.584 58.6,0.6
-12 on Top Layer "NONET_L-01_P-001" (solid, remove dead copper, pour order 55): 39.4,4.9 41.1,4.9 cw(c41.1,4.1) 41.9,4.1 41.9,1.4 cw(c40.9,1.4) 40.9,0.4 39.9,0.4 cw(c39.9,1.9) 38.4,1.9 38.4,3.9 cw(c39.4,3.9)
+12 on Bottom Layer "Bottom Layer-+12" (solid, remove dead copper, pour order 39): 4.8,37 7.2,37 ccw(c7.2,37.8) 8,37.8 8,46.2 cw(c9.8,46.2) 9.8,48 38.2,48 cw(c38.2,45.2) 41,45.2 41,14 cw(c39,14) 39,12 29,12 ccw(c29,11) 28,11 28,9 ccw(c29,9) 29,8 49,8 65.8,8 ccw(c65.8,9.2) 67,9.2 67,13.7 ccw(c66.359,13.7) 66.359,14.341 49.859,14.341 cw(c49.859,15.2) 49,15.2 49,63.5 ccw(c45.7,63.5) 45.7,66.8 7.4,66.8 ccw(c7.4,63.4) 4,63.4 4,37.8 ccw(c4.8,37.8)
-12 on Bottom Layer "NONET_L-01_P-001" (solid, remove dead copper, pour order 46): 31.5,50.3 36.8,50.3 36.8,56.1 31.5,56.1
GNDA on Bottom Layer "NONET_L-01_P-001" (solid, remove dead copper, pour order 54): 2.5,0.5 87.5,0.5 ccw(c87.5,2.5) 89.5,2.5 89.5,67.5 ccw(c87.5,67.5) 87.5,69.5 2.5,69.5 ccw(c2.5,67.5) 0.5,67.5 0.5,2.5 ccw(c2.5,2.5)
+5V on Bottom Layer "NONET_L-01_P-001" (solid, remove dead copper, pour order 53): 16.3,8.3 16.3,31.3 ccw(c15.6,31.3) 15.6,32 9.2,32 9.2,8.5 ccw(c10.3,8.5) 10.3,7.4 15.4,7.4 ccw(c15.4,8.3)
-12 on Bottom Layer "Bottom Layer--12" (solid, remove dead copper, pour order 49): 23.4,0.5 66.1,0.5 ccw(c66.1,1.6) 67.2,1.6 67.2,3.1 ccw(c66.3,3.1) 66.3,4 52.176,4 25.112,4 cw(c25.112,4.612) 24.5,4.612 24.5,14.5 cw(c26,14.5) 26,16 39,16 ccw(c39,17.5) 40.5,17.5 40.5,39 34,39 21.6,39 21.6,36 34,36 34,21 cw(c33,21) 33,20 24,20 ccw(c24,18) 22,18 22,1.9 ccw(c23.4,1.9)

## Keep-outs
Keep-Out Layer:
  the board outline again, w0.01

## Silkscreen, mask and mechanical layers (free items; w line width, h text height)
Top Overlay:
  lines w0.1: 30.5,16.7 30.5,19.4 ; 30.5,20.3 30.5,23.6 ; 33.5,1.5 33.5,0.5 34.5,0.5 ; 33.5,2.25 33.5,3.5 ; 33.5,4.25 33.5,5.5 ; 33.5,6.25 33.5,7.25 ; 33.5,8 33.5,9.25 ; 33.5,10 33.5,11 ; 33.5,12 33.5,13 ; 33.5,14 33.5,15 34.75,15 ; 35.25,0.5 36.25,0.5 ; 35.75,15 37.5,15 ; 36.75,0.5 37.5,0.5 ; 38,0.5 38.75,0.5 ; 38.25,15 39.5,15 ; 40,15 41.25,15 ; 41.6,18.6 43.2,18.6 ; 51.6,0.6 53,0.6 ; 52.1,13.1 54.1,13.1 ; 52.922,6.278 52.7,5.9 52.573,6.395 53.1,6.5 52.86,6.2 53.9,6.2 ; 53.7,0.6 54.8,0.6 ; 54.7,13.1 56.5,13.1 56.5,11.8 ; 55.5,0.6 56.4,0.6 ; 56.4,1.5 56.4,4.2 ; 56.5,9.2 56.5,11 ; 43.2,18.6 42.7,18.2 42.7,19 43.2,18.6
  text "Metal / Opera / Betta" at 13.1,51.1 h3 r90
  text "IN1" at 4.1,26.4 h1.5
  text "IN2" at 4.1,23.7 h1.5
  text "not inv" at 30.9,22.001 h1.5
  text "with inv" at 30.9,17.701 h1.5
  text "Перемычка" at 41.228,16.1 h1.5 r90
  text "Токовый" at 54.3,8.3 h1.5 r270
  text "GND" at 5.2,2.9 h1.5
  text "H" at 55.1,1.8 h3
  text "Х" at 34.5,1.5 h3
Top Solder:
  the board outline again, w0.1
Bottom Solder:
  the board outline again, w0.1